# Allegro board A733_PRO3_AXP318_LPDDR5_FBGA315BALL_32X1_V2_0.brd (continued)
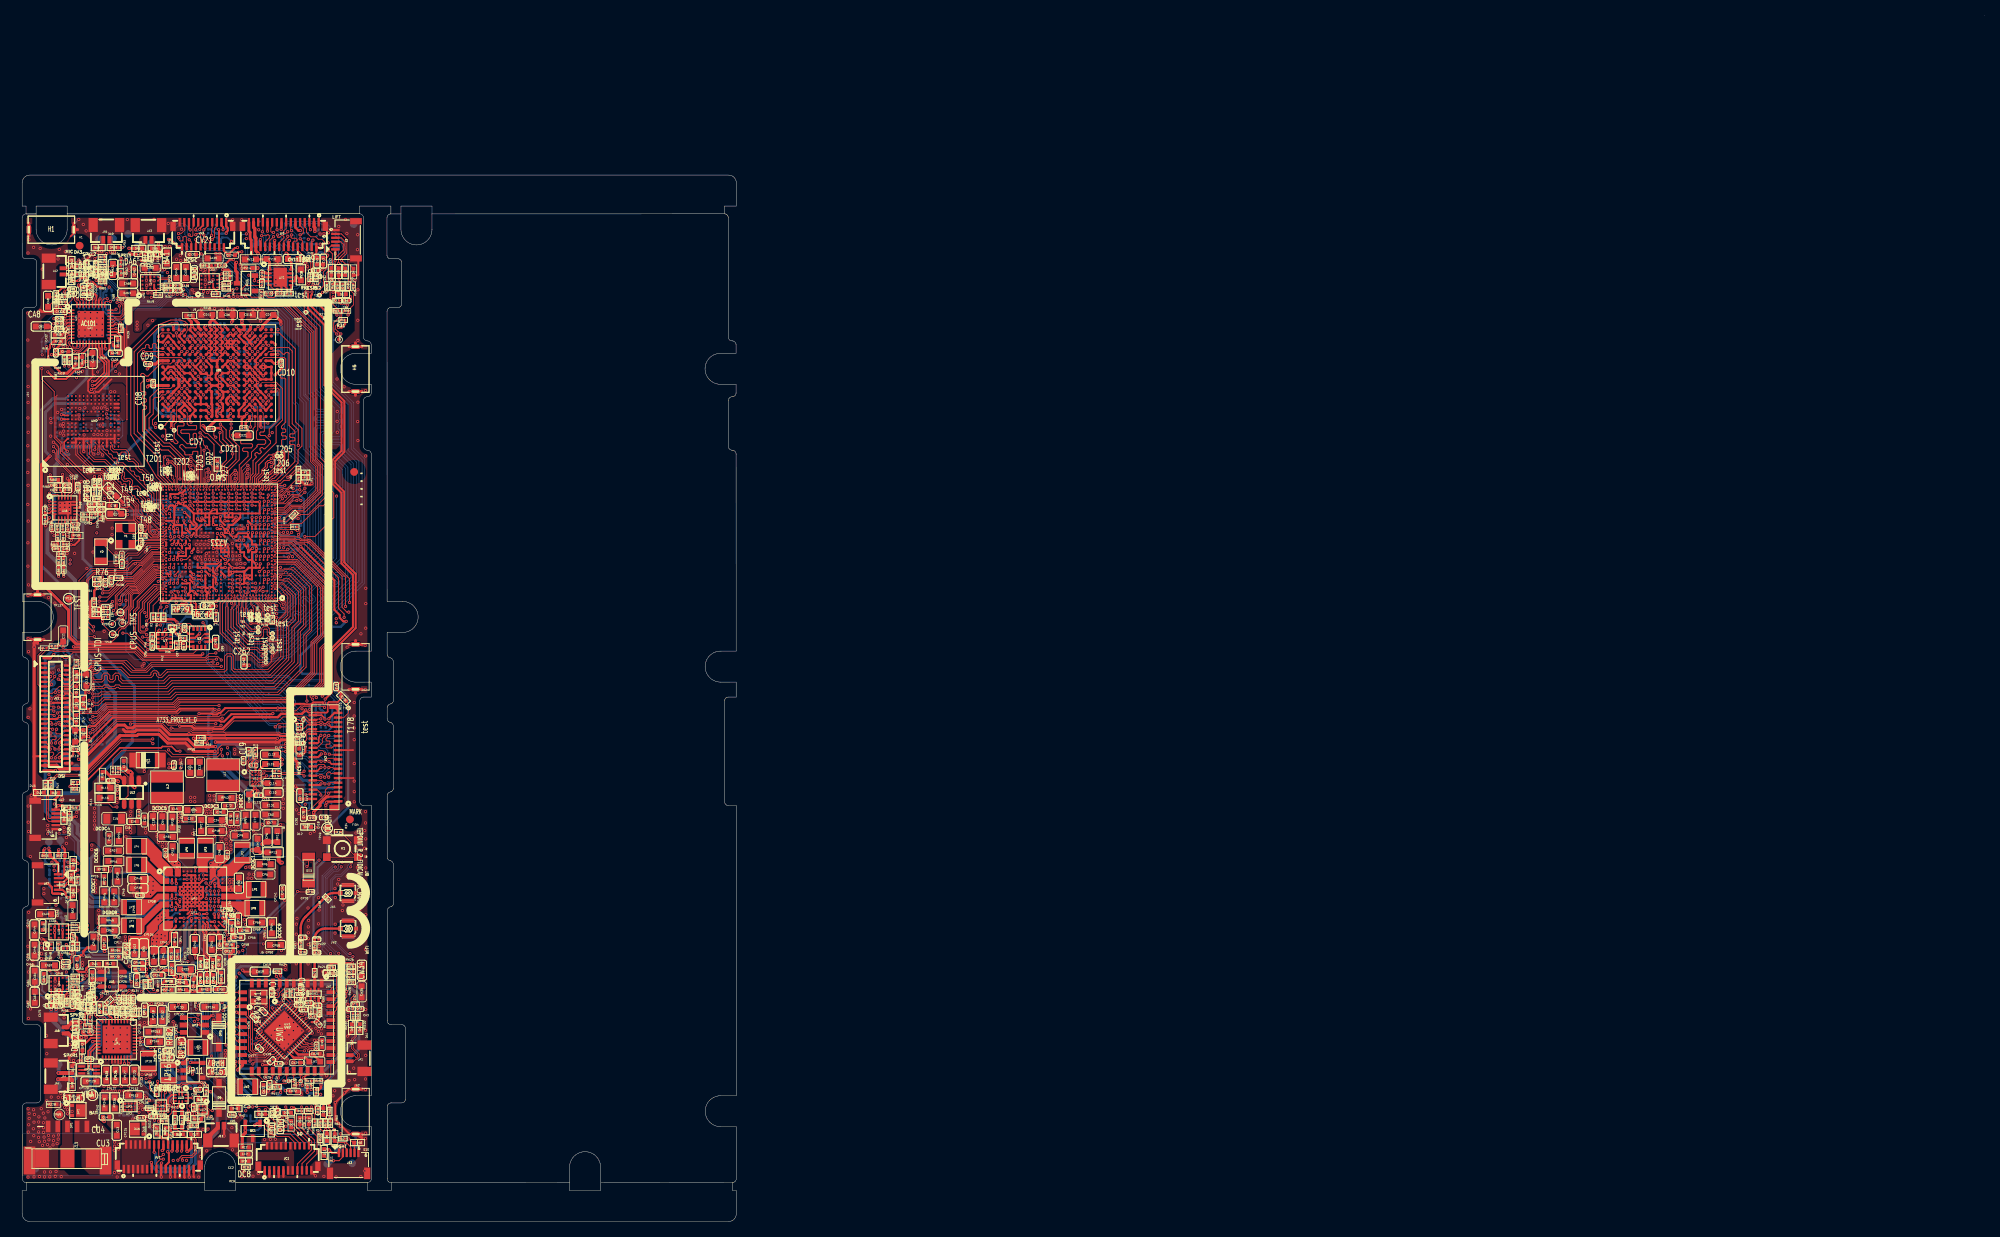
[diagram p0: board, top side]
## Routing (per net, layer and track width the routed paths; a pad name or vN(x,y) marks a point on that pad's centre or on a via; arc(x,y) is an arc through that point) (continued)
CLDO2: length 64.1
  TOP w0.254: CP33.2 23.83,32.38 v1(23.79,32.42) RP32.1 ; v1(26.13,83.15) 26.11,83.17 26.11,83.33 25.62,83.82 U1.1F13
  L4 w0.305: v1(26.13,83.15) 26.13,81.19 25.59,80.64 25.59,75.4 23.78,73.6 23.78,73.06 23.67,72.95 23.67,63.81 24.34,63.14 24.34,60.72 23.2,59.58 23.2,54.24 22.45,53.49 22.45,46.79 20.8,45.14 20.13,45.14 18.84,43.85 18.84,40.96 18.82,40.94 18.82,40.4 18.87,40.34 18.87,36.63 18.27,36.03 18.27,35.85 17.91,35.49 17.91,32.82 v1(17.97,32.76)
  BOTTOM w0.254: C116.1 26.22,83.23 v1(26.13,83.15)
  BOTTOM w0.305: v1(23.79,32.42) 23.74,32.48 23.74,32.64 22.98,33.4 21.97,33.4 21.55,32.98 19.28,32.98 19.07,32.78 18.16,32.78 18.15,32.76 v1(17.97,32.76)
CLDO-INPUT:
  vias: v1(13.32,36.72) v1(13.31,36.23) v1(24.22,37.11) v1(24.74,37.14)
CODEC0-AVDD: length 18
  TOP w0.203: RA64.2 3.09,90.28 3.51,90.7 v1(3.51,90.8) ; RA59.2 6.57,88.55 CA81.1 6.57,89.27 CA102.1 6.31,90.18 UA6.10 ; CA82.1 CA101.1 5.51,94.32 UA6.18
  TOP w0.254: v1(6.33,87.9) 6.33,88.04 6.52,88.23 RA59.2 ; CA82.1 5.55,95.1 5.21,95.44 5.21,96.07 5.22,96.07 v1(5.22,96.4)
  L3 w0.254: v1(3.51,90.8) 4.72,89.59 5.82,89.59 6.34,89.07 6.34,87.96 6.33,87.96 v1(6.33,87.9)
  L4 w0.254: v1(5.22,96.4) 4.03,95.22 4.03,91.76 3.51,91.23 v1(3.51,90.8)
CODEC-IRQ: length 59.1
  TOP w0.102: UA1.24 11.98,115.18 12,115.2 12.07,115.2 v1(12.09,115.21) 12.24,115.06 12.3,115.06 12.39,114.98 RA29.2
  L3 w0.102: v1(19.99,119.6) 21.05,118.54 30.21,118.54 30.48,118.81 32.8,118.81 37.42,114.18 37.42,97.84 35.95,96.37 35.95,96.37 34.6,95.02 34.6,94.27 34.69,94.18 34.69,93.46 34.21,92.98 v1(34.21,88.92)
  BOTTOM w0.102: RA1.1 33.93,89.21 v1(34.21,88.92) ; v1(12.09,115.21) 12.11,115.21 12.25,115.35 12.64,115.35 13.07,115.78 13.07,116.99 13.9,117.81 17.55,117.81 18.72,118.99 19.37,118.99 v1(19.99,119.6)
CODEC-RST: length 59
  L3 w0.102: v1(34.93,94.56) 34.93,95.07 37.62,97.76 37.62,114.27 32.88,119.01 30.4,119.01 30.13,118.74 21.38,118.74 v1(20.5,119.62)
  BOTTOM w0.102: v1(34.93,94.56) 34.91,94.54 RA2.1 ; RA20.2 7.73,120.73 7.73,121.86 8.49,122.62 9.69,122.62 12.62,119.68 12.62,118.67 12.85,118.44 17.24,118.44 18.8,120 20.12,120 v1(20.5,119.62)
CPUS-RX: length 42.3
  TOP w0.076: 17.31,84.15 17.51,84.15 17.61,84.24 18.34,84.24 U1.K36
  TOP w0.102: RU5.2 7.56,53.9 11.21,53.9 11.64,53.47 11.95,53.47 11.96,53.48 v1(12.22,53.48) ; v1(12.61,79.6) 12.96,79.95 12.96,80.68 14.02,81.75 14.72,81.75 14.74,81.76 14.74,81.76 17.13,84.15 17.31,84.15
  L4 w0.102: v1(12.61,79.6) 14.05,78.16 14.05,64.73 14.33,64.45 14.33,63.89 13.84,63.41 13.84,58.41 12.76,57.32 12.76,53.77 12.47,53.48 v1(12.22,53.48)
  BOTTOM w0.102: v1(12.61,79.6) 13.02,79.6 TP44.1
CPUS-TCK: length 24.2
  TOP w0.102: U2.9 22.6,73.82 22.09,73.32 16.15,73.32 13.56,75.91 v1(12.99,75.91) ; TP46.1 12.4,77.88 v1(12.91,77.88) 13.19,78.15 13.19,78.89 13.75,79.45 13.75,80.93 14.21,81.39 14.87,81.39 14.89,81.41 14.89,81.41 17.28,83.79 17.98,83.79 U1.J37
  L4 w0.102: v1(12.99,75.91) 12.99,76.71 12.54,77.15 12.54,77.51 v1(12.91,77.88)
CPUS-TDI: length 77.3
  TOP w0.102: U1.G36 18.53,82.8 18.28,83.05 18.12,83.05 17.8,83.37 17.36,83.37 15.04,81.05 15.03,81.05 15.02,81.04 14.38,81.04 14.14,80.8 14.14,79.33 13.7,78.89 13.7,77.33 13.06,76.69 12.59,76.69 TP48.1 10.36,77.07 10.36,77.25 10.35,77.26 v1(10.35,77.41) ; RV16.2 30.67,119.25 29.57,119.25 29.05,119.77 26.54,119.77 25.94,119.18 22.41,119.18 22.36,119.23 21.42,119.23 v1(21.03,119.62)
  L4 w0.102: v1(10.35,77.41) 10.21,77.41 9.27,78.35 9.27,84.71 9.58,85.03 9.58,88.3 9.27,88.62 9.27,89.08 9.96,89.78 9.96,93.49 ; v1(9.74,109.61) 9.74,109.36 9.75,109.35 9.75,106.59 8.49,105.33 8.49,98.22
  L4 w0.114: 8.49,98.22 10.48,96.23 10.48,94.01 9.96,93.49
  BOTTOM w0.102: v1(9.74,109.61) 12.61,112.47 12.61,114.67 13.28,115.34 13.28,116.91 13.98,117.61 17.68,117.61 18.83,118.76 20.16,118.76 v1(21.03,119.62)
CPUS-TDO: length 48.7
  TOP w0.102: RV11.1 35.22,62.3 34.55,62.96 33.37,62.96 33.2,63.13 26.13,63.13 26.05,63.05 24.48,63.05 24.43,63.11 21.94,63.11 21.76,63.28 19.08,63.28 18.09,64.28 14.06,64.28 v1(13.96,64.18) ; TP47.1 12.91,77.22 v1(12.91,77.35) 13.39,77.84 13.39,78.83 13.96,79.4 13.96,80.9 14.28,81.21 14.95,81.21 14.96,81.23 14.97,81.23 17.33,83.59 17.83,83.59 18.19,83.23 18.55,83.23 U1.H36
  TOP w0.114: RV11.1 35.82,62.3 T174.1 36.3,62.78 36.3,62.96 36.85,63.52 JV2.32
  L4 w0.102: v1(12.91,77.35) 13.84,76.42 13.84,64.31 v1(13.96,64.18)
CPUS-TMS: length 19.7
  TOP w0.102: TP45.1 12.67,78.78 13.38,79.49 v1(13.38,80.14) 13.38,80.83 14.12,81.57 14.8,81.57 14.81,81.58 14.82,81.58 17.2,83.97 18.14,83.97 U1.K37 ; U2.4 22.1,76.67 21.63,77.14 20.46,77.14 20.26,76.95 19.77,76.95 19.77,76.95 19.59,76.95 19.23,77.32 16.43,77.32 v1(16.07,76.96)
  L4 w0.102: v1(13.38,80.14) 15.11,78.41 15.11,77.91 16.05,76.96 v1(16.07,76.96)
CPUS-TX: length 64.9
  TOP w0.076: U1.L36 17.53,84.4 17.44,84.31 17.04,84.31
  TOP w0.102: 17.04,84.31 14.67,81.94 14.67,81.94 14.65,81.92 13.91,81.92 12.69,80.7 12.69,80.23 v1(12.59,80.14) ; UU1.4 12.92,29.99 12.78,29.85 v1(12.39,29.85) 12.34,29.85 11.39,28.89 RU7.1
  L4 w0.102: v1(12.39,29.85) 12.22,30.02 12.22,36.01 11.69,36.53 11.69,40.39 12.14,40.84 12.14,48.53 12.74,49.14 12.74,52.47 13.44,53.17 13.44,56.45 14.09,57.1 14.26,57.1 14.42,57.1 14.88,57.57 14.88,60.11 14.53,60.46 14.53,63.07 15.05,63.59 15.05,64.83 14.77,65.1 14.77,77.66 14.7,77.74 14.7,78.02 12.59,80.12 v1(12.59,80.14)
  BOTTOM w0.102: TP43.1 12.59,80.48 v1(12.59,80.14)
CPUX-RX: length 4.9
  TOP w0.102: U1.1W3 30.62,90.77 v1(30.71,90.85)
  BOTTOM w0.102: v1(30.71,90.85) 30.71,91.77 31.2,92.26 32.25,92.26 TP38.1 32.43,92.95 RA4.2
CPUX-TCK: length 129.3
  TOP w0.076: 34.67,90.23 34.58,90.23 34.28,89.94 32.99,89.94 32.69,90.24 32.4,90.24 32.17,90.02 U1.AE2
  TOP w0.102: R57.2 39.7,120.17 39.7,119.2 40.04,118.86 40.04,118.38 40.7,117.71 40.7,117.7 R60.2 40.99,117.41 40.99,116.79 40.16,115.96 40.16,114.9 v1(40.56,114.5) ; v1(39.52,93.59) 39.25,93.59 36.87,91.21 35.72,91.21 v1(35.71,91.2) 35.63,91.2 35.47,91.03 35.44,91.03 35.25,90.84 35.25,90.82 34.67,90.23 ; R61.2 37.73,13.85 37.4,14.18 37.26,14.18 R64.2 37.19,14.66 v1(37.29,14.77)
  L3 w0.102: v1(41.14,45.76) 40.9,46 40.9,48.29 41.56,48.95 41.56,67.8 39.16,70.2 39.16,73.5 42.96,77.3 42.96,88.91 39.17,92.7 39.17,93.24 v1(39.52,93.59) ; v1(37.29,14.77) 37.29,16.08 37.93,16.71 37.93,19.14 39.94,21.14 39.94,33.22 40.64,33.92 40.64,34.43 v1(40.82,34.61)
  L4 w0.102: v1(40.56,114.5) 38.25,112.19 38.25,98.29 39.52,97.01 39.52,93.59 v1(39.52,93.59)
  BOTTOM w0.102: v1(40.82,34.61) 40.65,34.79 40.43,34.79 39.3,35.92 39.3,44.28 40.19,45.17 40.7,45.17 41.14,45.62 v1(41.14,45.76) ; R32.2 35.96,90.94 v1(35.71,91.2) 35.78,91.27 TP39.1
CPUX-TDI: length 8.3
  TOP w0.114: U1.1U3 30.62,89.73 30.66,89.76 v1(30.66,89.91)
  BOTTOM w0.102: RA2.2 34.91,93.05 TP36.1 34.44,92.16 35,91.6 R30.2 34.18,91.21 33.98,91.01 33.79,91.01 33.5,90.72 33.5,90.7 33.29,90.5 33.28,90.5 33.27,90.48 31.12,90.48 30.66,90.03 v1(30.66,89.91)
CPUX-TDO: length 4.1
  TOP w0.114: U1.1U2 31.12,89.72 31.22,89.81 v1(31.22,89.91)
  BOTTOM w0.102: RA1.2 33.43,90.17 R33.2 32.77,90.18 TP40.1 32.01,90.31 31.51,90.31 31.22,90.01 v1(31.22,89.91)
CPUX-TMS: length 128.4
  TOP w0.102: R62.2 39.73,13.33 v1(39.64,13.42) R63.2 ; U1.AE1 32.82,89.76 34.36,89.76 34.65,90.05 36.02,90.05 38.31,92.34 38.8,92.34 v1(39.53,93.06) ; R58.2 42.73,119.73 42.73,118.27 42.26,117.8 41.69,117.8 41.56,117.68 R59.2 41.19,117.12 41.19,116.58 41.15,116.54 R31.2 40.37,115.54 40.37,115.16 40.67,114.86 40.71,114.86 40.91,114.65 40.91,114.62 41.02,114.51 v1(41.08,114.51) 40.85,114.28 TP37.1
  L3 w0.102: v1(41.17,34.07) 41.11,34.07 40.14,33.09 40.14,21.06 39.64,20.56 v1(39.64,13.42) ; v1(41.28,46.36) 41.28,48.38 41.76,48.86 41.76,67.89 39.37,70.28 39.37,73.42 43.16,77.21 43.16,77.38 43.16,89.43 v1(39.53,93.06)
  L4 w0.102: v1(41.08,114.51) 38.45,111.88 38.45,98.37 39.88,96.95 39.88,93.41 v1(39.53,93.06)
  BOTTOM w0.102: v1(41.28,46.36) 41.08,46.36 40.77,46.06 40.77,45.6 40.55,45.38 40.08,45.38 39.1,44.4 39.1,35.75 40.78,34.07 v1(41.17,34.07)
CPUX-TX: length 7.1
  TOP w0.102: U1.1W4 30.12,90.78 v1(30.18,90.83)
  BOTTOM w0.102: v1(30.18,90.83) 30.46,91.11 30.46,91.78 31.13,92.44 31.8,92.44 32.09,92.72 32.09,93.95 32.84,94.7 RA3.2 32.49,95.18 32.28,95.18 32.06,95.39
  BOTTOM w0.114: TP35.1 32.06,95.39
CPVDD: length 2.1
  TOP w0.203: v1(12.09,114.25) 11.95,114.38 UA1.22
  TOP w0.305: RA15.2 12.32,114.02 v1(12.09,114.25)
  BOTTOM w0.203: v1(12.09,114.25) 11.98,114.36 CA13.1
D+: length 12.7
  TOP w0.112: v1(18.2,8.65) 17.92,8.37 17.74,8.37 17.61,8.5 JU1.16 ; v1(20.68,7.91) 20.59,8 20.59,8.16 20.7,8.27 21.94,8.27 22.43,8.77 22.43,10.6 21.8,11.24 DU7.2 21.78,11.26 21.29,11.75 20.8,11.75 20.61,11.94 LU1.2 20.61,12.24 20.61,12.24 RU12.1
  L4 w0.112: v1(20.68,7.91) 20.51,8.08 20.51,8.3 20.24,8.57 19.13,8.57 19.04,8.48 18.37,8.48 v1(18.2,8.65)
D-: length 12.5
  TOP w0.112: JU1.15 17.31,7.54 17.82,8.04 v1(18.2,8.04) ; v1(20.07,7.91) 20.34,8.18 20.34,8.26 20.6,8.51 21.84,8.51 22.2,8.86 22.2,10.5 22.04,10.66 21.36,10.66 DU8.2 20.65,11.24 20.24,11.65 20.2,11.65 LU1.3 19.68,12.16 RU11.1
  L4 w0.112: v1(18.2,8.04) 18.37,8.21 19.15,8.21 19.25,8.31 20.13,8.31 20.24,8.19 20.24,8.08 v1(20.07,7.91)
DC8SET: length 4.2
  TOP w0.102: UP1.E11 23.7,43.05 v1(23.7,42.65)
  BOTTOM w0.305: RP57.1 23.7,42.95 v1(23.7,42.65) 23.7,42.52 24.08,42.14 RP55.2
DCDC1:
  vias: v1(26.78,44.13) v1(26.75,43.69) v1(27.22,44.12) v1(27.22,43.68) v1(28.82,45.67) v1(29.36,45.73) v1(29.92,46.45) v1(29.93,45.78) v1(33.92,33.06) v1(33.92,32.52) v1(34.05,20.44) v1(34.16,20.98) v1(37.69,23.37) v1(38.13,23.33) v1(41.99,26.44) v1(42,25.97) v1(43.51,31.04) v1(44.03,31.06)
DCDC2: length 19.5
  TOP w0.178: v1(28.02,87.91) 27.96,87.85 U1.1P9
  TOP w0.203: U1.1V22 20.87,90.11 v1(20.87,90.41)
  TOP w0.254: U1.1U10 27.12,88.9 v1(27.15,88.87) ; U1.1V18 22.48,89.21 22.48,88.49 v1(22.4,88.41) ; v1(26.18,84.38) 26.16,84.35 U1.1G13 ; v1(25.05,79.41) 25.02,79.44 C261.1 24.32,78.68 RP296.1 ; U1.1R12 26.12,88.37 v1(25.71,88.79)
  TOP w0.406: C262.1 v1(29.27,71.77)
  L4 w0.305: v1(25.05,79.41) 24.82,79.41 24.59,79.63 24.59,80.27 25.64,81.32 25.64,83.84 v1(26.18,84.38)
  BOTTOM w0.254: R75.1 25.64,83.2 C76.1 25.64,84.03 25.99,84.38 v1(26.18,84.38) ; C75.1 28.52,87.94 v1(28.55,87.91) 28.28,87.64 C129.1 27.62,87.39 C68.1 ; C58.1 27.91,88.01 v1(28.02,87.91) ; v1(27.15,88.87) 27.15,88.84 C74.1 ; v1(20.87,90.41) 20.72,90.55 CM4.1 20.72,90.96 20.54,91.14 19.58,91.14 CM3.1
  vias: v1(27.1,87.5) v1(27.15,85.87) v1(27.69,84.83) v1(27.64,53.73) v1(27.74,54.85) v1(27.74,54.29) v1(27.78,53.18) v1(28.04,85.92) v1(28.04,85.39) v1(28.19,84.88) v1(28.28,54.28) v1(28.2,53.76) v1(28.34,53.2) v1(28.73,84.88)
DCDC3:
  vias: v1(22.32,85.6) v1(23.01,85.73) v1(23.19,84.93) v1(23.39,53.59) v1(23.39,52.99) v1(23.65,85.44) v1(23.75,86.2) v1(23.84,53.16) v1(23.79,52.67) v1(23.98,53.6) v1(24.16,85.44) v1(24.32,53.16) v1(24.33,52.69) v1(24.56,53.6) v1(24.66,85.42) v1(25.1,86.36) v1(25.17,85.29) v1(25.12,53.59)
DCDC4:
  vias: v1(13.52,51.01) v1(13.53,50.57) v1(13.98,51.02) v1(13.98,50.59) v1(14,50.16) v1(22.94,88.41) v1(23.44,88.39) v1(23.95,88.39)
DCDC5:
  vias: v1(16.96,53.53) v1(16.96,52.95) v1(17.48,53.52) v1(17.48,52.93) v1(18.03,53.5) v1(18.02,52.95) v1(18.57,53.53) v1(18.57,52.95) v1(22.44,87.37) v1(22.67,86.42) v1(22.95,87.37) v1(23.46,87.37) v1(23.97,87.35) v1(24.1,87.86)
DCDC6: length 11.5
  TOP w0.254: U1.1Y14 24.74,90.85 v1(24.71,90.88) 24.62,90.79 U1.1W15 24.62,89.95 v1(24.66,89.91) 24.73,89.85 U1.1V14 ; UP1.C2 v1(19.32,43.69)
  TOP w0.381: v1(13.01,92.48) 13.01,92.77 12.18,93.6 CD32.1
  BOTTOM w0.381: 12.35,45.01 18,45.01 v1(19.32,43.69)
  vias: v1(11.36,45.78) v1(11.36,45.22)
DCDC7: length 88.7
  TOP w0.254: v1(28.99,108.26) 28.63,108.61 UD1.T7 ; v1(28.99,108.26) 28.68,107.86 UD1.T6 ; v1(28.99,108.26) 29.33,108.6 UD1.U7 29.66,108.32 29.66,108.28 v1(29.68,108.27) ; UD1.U9 29.69,109.89 v1(29.69,109.86) 29.72,109.86 UD1.V8 30.03,109.42 v1(30.4,109.05) 30.71,108.66 UD1.W7 UD1.Y7 UD1.AA7 UD1.AA8 UD1.AA9 UD1.Y9 31.43,110.24 v1(31.09,109.9) UD1.W9 31.08,110.6 31.08,110.6 v1(31.09,110.61) ; UD1.U9 29.26,110.26 28.97,110.64 v1(28.97,110.65) 28.95,110.65 28.63,110.97 UD1.T10 ; UD1.U9 v1(28.98,109.9) UD1.T9 ; UD1.C7 v1(19.18,109) UD1.B7 18.48,109 ; UD1.K10 24.08,111.4 24.08,111.45 v1(24.07,111.46) 24.07,111.46 24.07,111.49 UD1.K11 24.08,112.21 ; UD1.M11 v1(26.18,112.2) UD1.N11 ; UD1.M11 25.48,111.5 v1(25.48,111.4) ; UD1.M11 25.51,112.17 25.51,112.24 v1(25.5,112.25) 25.53,112.25 25.83,112.55 UD1.M12 25.83,112.68 25.51,113 25.51,113.03 v1(25.5,113.05) 25.54,113.05 25.83,113.34 UD1.M13 25.83,113.53 v1(25.5,113.86) 25.83,114.19 UD1.M14 25.5,114.58 25.5,114.63 v1(25.48,114.64) 25.52,114.64 25.83,114.95 UD1.M15 25.46,115.42 v1(25.46,115.46) ; UD1.K1 24.52,103.94 24.52,104.11 24.52,104.42 24.52,104.57 UD1.K2 24.51,104.73 24.51,105.38 UD1.K3 ; UD1.J11 24.08,112.2 24.08,112.21 ; UD1.F6 21.63,107.9 21.3,108.23 ; UD1.C9 19.85,109.85 v1(19.87,109.85) 19.87,109.81 UD1.D8 20.53,109.07 v1(20.59,109.06) 20.59,108.99 UD1.E7 20.93,108.63 ; 20.93,108.63 20.63,108.33 20.63,108.29 v1(20.6,108.26) ; 20.93,108.63 20.93,108.6 21.3,108.23 ; 18.48,109 UD1.A7 ; 18.48,109 UD1.A8 18.5,109.87 ; v1(25.48,107.44) 25.5,107.42 25.5,107.38 UD1.M5 ; v1(25.48,107.44) 25.52,107.44 25.83,107.75 UD1.M6 ; v1(25.48,107.44) 25.45,107.44 UD1.L6 25.49,108.21 25.49,108.24 ; v1(25.49,108.24) 25.48,108.24 25.45,108.25 UD1.L7 24.95,108.83 24.95,109.27 UD1.L8 25.47,109.8 25.47,109.84 v1(25.48,109.85) 25.47,109.85 25.45,109.85 UD1.L9 ; UD1.M5 25.94,106.95 25.94,106.36 UD1.M4 25.51,105.84 v1(25.48,105.84) 25.5,105.83 25.5,105.83 25.83,105.49 UD1.M3 25.9,105.39 25.9,104.72 UD1.M2 25.51,104.25 v1(25.49,104.25) 25.83,103.9 UD1.M1 ; UD1.M5 UD1.N5 ; 21.28,110.6 UD1.E9 20.58,110.61 v1(20.58,110.67) ; 21.28,110.6 v1(21.28,110.63) 21.3,110.63 UD1.F10 ; 21.28,110.6 UD1.F9 ; U1.1W10 27.12,90.37 27.58,90.83 v1(27.58,90.88) ; U1.1W11 26.21,90.35 v1(26.14,90.42) ; v1(25.48,111.4) UD1.L10 ; v1(25.48,111.4) UD1.M10 ; UD1.J5 v1(24.08,107.4) ; v1(24.08,107.4) 24.43,107.75 UD1.K6 24.13,108.16 24.13,108.2 v1(24.09,108.24) ; v1(24.08,107.4) UD1.K5 ; v1(24.21,115.51) 24.21,115.27 UD1.K15 24.08,114.71 v1(24.08,114.66) 24.08,114.64 24.08,114.64 24.08,114.6 UD1.K14 24.08,113.91 24.08,113.85 v1(24.08,113.85) 24.08,113.85 24.08,113.8 UD1.K13 24.43,113.35 24.14,113.06 24.09,113.06 v1(24.08,113.05) 24.08,113.05 24.08,113.01 UD1.K12 24.43,112.55 24.12,112.24 24.08,112.24 v1(24.08,112.24) 24.08,112.24 24.08,112.21 ; UD1.B9 18.5,109.87 ; 18.5,109.87 UD1.A9 ; 21.3,108.23 21.63,108.56 UD1.F7
  TOP w0.305: v1(27.12,101.45) 27.76,101.45 CD21.1 ; UD1.K10 UD1.L10 25.13,110.76 25.12,110.75 25.12,110.46 25.13,110.45 UD1.L9 ; v1(25.49,108.24) 25.83,107.9 UD1.M6 ; UP1.G2 19.31,42.16 19.31,41.67 v1(19.3,41.66) ; v1(28.97,110.65) 28.63,110.32 UD1.T9 ; UD1.K5 UD1.K4 UD1.K3 ; 24.52,116.46 25.46,115.52 v1(25.46,115.46) ; v1(31.09,110.61) 31.43,110.27 UD1.Y9 ; UD1.B9 UD1.C9 ; UD1.L6 UD1.K6
  TOP w0.381: v1(24.21,115.51) 24.21,116.05 24.52,116.36 CD11.1
  BOTTOM w0.076: 27.23,111.79 27.23,105.35 27.26,105.32 ; 27.24,114.3 27.24,112.61 ; 26.55,114.29 26.55,112.53
  BOTTOM w0.114: 23.01,111.29 23.03,111.32 23.03,114.78
  BOTTOM w0.305: v1(25.48,114.64) 25.56,114.72 CD14.1 ; v1(20.6,108.26) 20.35,108.5 CD45.1 ; v1(25.46,115.46) 25.55,115.55 CD13.1 ; v1(25.49,104.25) 25.3,104.44 CD46.1 ; v1(24.07,111.46) 24.15,111.38 CD15.1 ; CD44.1 20.49,110.75 v1(20.58,110.67) ; v1(24.21,115.51) 24.24,115.53 CD48.1 ; CD12.1 23.94,108.39 v1(24.09,108.24) ; v1(25.49,108.24) 25.76,108.52 CD47.1
  BOTTOM w0.381: v1(19.3,41.66) 19.07,41.43 12.72,41.43 11.38,42.77 10.51,42.77
  vias: v1(9.42,44.05) v1(9.47,43.51) v1(9.47,43.01) v1(9.47,42.5)
DCDC8: length 90.3
  TOP w0.254: v1(19.28,40.64) 19.32,40.68 UP1.J2
  BOTTOM w0.381: v1(19.28,40.64) 19.17,40.74 17.32,40.74 16,39.42 13.58,39.42 v1(12.37,38.21)
  BOTTOM w0.508: v1(12.37,38.21) 11.73,38.21 11.05,38.88 11.05,40.68 10.51,41.22 8.86,41.22 8.29,41.8 8.29,46.85 7.84,47.3 7.84,49.42 7.14,50.13 7.14,51.18 5.7,52.61 4.2,52.61 3.56,53.25 3.56,54.61 4.21,55.26 7.13,55.26 7.6,55.73 7.6,57.93 11.04,61.36 11.04,61.76 11.99,62.71 11.99,68.15 10.77,69.36 10.77,70.83 6.83,74.78 6.83,82.72 3.25,86.3 3.25,89.13 4.07,89.96 4.07,95.75 4.21,95.88 4.21,97.46 4.58,97.83 4.58,99.17 5.38,99.98 8.82,99.98 9.18,100.33 RP291.1
DCDC9: length 1
  TOP w0.254: v1(25.37,41.66) 25.32,41.61 UP1.J14 ; UP1.P12 v1(24.8,38.67)
  vias: v1(26.28,37.49) v1(26.46,36.98) v1(31.24,37.05) v1(31.24,36.59)
DCXO-XIN: length 4.7
  TOP w0.076: 17.9,87.91 17.99,88 U1.Y36
  TOP w0.102: Y1.1 14.7,87.84 C61.1 17.83,87.84 17.9,87.91
DCXO-XOUT: length 3.1
  TOP w0.076: 17.84,88.16 18.29,88.16 18.53,88.4 U1.AA36
  TOP w0.102: R19.1 16.25,88.02 17.7,88.02 17.84,88.16
DDR-PARA-SEL-ADC: length 6.1
  TOP w0.102: v1(17.88,79.28) 17.55,78.95 R2.2 ; v1(19.51,82.35) 19.62,82.47 U1.1D25
  L4 w0.102: v1(17.88,79.28) 18.28,79.68 18.28,81.12 19.5,82.35 v1(19.51,82.35)
  BOTTOM w0.102: R7.1 17.97,79.2 v1(17.88,79.28)
DDR-PARA-SEL-GPIO: length 5
  TOP w0.076: 32.98,95.04 32.41,95.04 U1.AU2
  TOP w0.102: R1.1 36.29,96.65 R6.2
  TOP w0.114: R6.2 35.26,96.65 34.72,96.11 34.72,95.92 34.43,95.63 33.76,95.63 33.31,95.18 33.12,95.18 32.98,95.04
DECAP2: length 3
  TOP w0.102: UW3.4 31.9,27.22 31.9,29.05 CW11.2
DLDO1: length 99.4
  TOP w0.254: U1.1W5 29.62,90.81 v1(29.64,90.83) ; CP41.2 18.21,35.28 18.82,35.9 v1(18.82,35.92) 19.05,36.14 19.05,37.27 19.82,38.04 UP1.R3
  L3 w0.254: v1(33.41,34.94) 29.4,30.93 29.36,30.93 27.7,29.27 27.35,29.27 27.21,29.41 26.67,29.41 26.53,29.27 24.22,29.27 23.6,29.88 22.88,29.88 22.6,30.17 20.44,30.17 18.78,31.84 v1(18.55,31.84)
  L4 w0.254: v1(18.82,35.92) 18.82,35.9 18.72,35.79 18.72,35.67 18.29,35.24 18.29,33.14 18.46,32.97 18.46,31.99 18.55,31.9 v1(18.55,31.84) ; v1(38.27,46.62) 38.27,51.06 36,53.34 36,56.62 34.64,57.97 34.64,59.35 33.46,60.53 33.46,63.33 33.68,63.55 33.68,64.51 34.74,65.58 34.74,66.7 38.14,70.1 38.14,73.96 39.11,74.93 39.11,88.41 37.23,90.3 34.86,90.3 32.9,92.26 31.03,92.26 29.64,90.87 v1(29.64,90.83)
  BOTTOM w0.254: v1(33.41,34.94) 34.75,36.28 34.75,36.38 34.76,36.38 34.76,36.41 34.77,36.42 34.77,39.58 37.7,42.51 37.7,46.05 v1(38.27,46.62) ; C49.1 29.66,90.85 v1(29.64,90.83)
DLDO5: length 44
  TOP w0.229: v1(21.86,39.64) 21.79,39.64 UP1.N6
  TOP w0.381: v1(16.18,33.25) 15.61,33.25 CP46.2
  TOP w0.508: v1(27.57,15.19) 27.87,14.89 R40.1
  L3 w0.381: v1(22.69,26.65) 22.96,26.65 23.36,27.05 24.9,27.05 25.31,26.64 26.7,26.64 28.18,25.16 28.18,22.33 26.23,20.39 26.23,16.52 v1(27.57,15.19)
  L4 w0.381: v1(16.18,33.25) 16.16,33.24 16.15,33.24 16.14,33.22 15.99,33.22 15.5,32.74 15.5,31.79 16.17,31.12 16.17,29.78 16.81,29.14 20.62,29.14 21.11,28.65 21.11,27.31 21.77,26.65 v1(22.69,26.65)
  BOTTOM w0.279: v1(21.86,39.64) 21.86,39.64 21.99,39.64 22.01,39.63 22.05,39.63 22.37,39.3 22.37,38.93 22.4,38.9 22.4,38.75 21.53,37.88
  BOTTOM w0.381: v1(16.18,33.25) 16.21,33.25 16.25,33.29 16.94,33.29 17.83,34.18 20.46,34.18 21.53,35.26 21.53,37.88
DLDO6: length 115.9
  TOP w0.152: UP1.M6 21.32,39.72 21.78,40.17 v1(21.84,40.17)
  TOP w0.203: UP1.M6 21.46,39.8 21.46,39.81 21.69,40.04 21.71,40.04 v1(21.84,40.17)
  TOP w0.381: v1(22.29,31.68) 22.25,31.64 22.25,31.35 CP48.2 ; v1(14.41,74.52) 6.96,74.52 5.98,75.5 5.98,78.87 2.49,82.36 2.49,97.65 v1(3.6,98.76)
  L4 w0.305: v1(21.84,40.17) 21.92,40.1 22.05,40.1 22.32,39.83 22.32,38.64 22.31,38.63
  L4 w0.381: 22.31,38.63 22.84,38.1 22.84,33.43 22,32.59 22,32.04 22.29,31.75 v1(22.29,31.68) ; v1(14.41,74.52) 14.41,64.98 14.68,64.71 14.68,63.75 14.19,63.26 14.19,60.17 14.51,59.84 14.51,57.72 14.24,57.45 13.95,57.45 13.1,56.6 13.1,53.41 12.22,52.53 12.22,49.19 10.93,47.89 10.93,46.17 10.58,45.83 10.58,42.22 11.34,41.46 11.34,36.29 11.88,35.76 11.88,31.79 11.25,31.17 v1(11.25,30.28)
  BOTTOM w0.381: v1(11.25,30.28) 12.12,30.28 12.18,30.34 14.97,30.34 15.09,30.22 15.68,30.22 15.86,30.41 16.7,30.41 17.35,31.06 21.66,31.06 v1(22.29,31.68) ; v1(3.6,98.76) 3.02,99.34 3.02,104.44 4.12,105.54 RP293.1
DP-REXT: length 1.2
  TOP w0.114: v1(23.19,81.23) 23.05,81.37 22.64,81.37 U1.1A19
  BOTTOM w0.102: R68.2 23.29,81.13 v1(23.19,81.23)
DXLDO-OUT: length 1.7
  TOP w0.254: v1(21.17,89.34) 21.21,89.3 21.21,89.27 U1.1T21
  BOTTOM w0.254: RM37.2 21.07,89.44 v1(21.17,89.34) 21.21,89.34 21.41,89.14 C41.1
ELDO1: length 77.8
  TOP w0.254: UP1.R13 24.82,38.14 25.04,37.92 25.04,37.82 25.27,37.6 v1(25.27,37.08)
  TOP w0.381: RP198.1 8.38,93.41 v1(8.38,92.97) ; CP51.2 25.47,36.88 v1(25.27,37.08)
  L3 w0.381: v1(25.27,37.08) 25.27,37.47 24.31,38.42 16.01,38.42 14.82,39.61 v1(12.36,39.61)
  BOTTOM w0.381: v1(12.36,39.61) 12.36,40.15 10.73,41.77 9.25,41.77 8.86,42.16 8.86,46.88 9.87,47.89 9.87,57.39 13.17,60.69 13.17,60.86 14.21,61.9 14.21,63.33 14.48,63.6 14.48,69.07 8.48,75.06 8.48,83.4 8.87,83.79 8.87,84.47 7.84,85.51 7.84,92.43 8.37,92.97 v1(8.38,92.97)
ELDO6: length 82.4
  TOP w0.254: U1.1M20 22.12,86.73 21.87,86.48 v1(21.87,86.31)
  TOP w0.381: v1(21.15,79.68) 21.12,79.65 20.56,79.65 RP297.1 ; RP56.1 27.03,37.39 27.39,37.04 CP58.2 27.05,36.69 26.8,36.44 v1(26.65,36.44)
  L4 w0.254: v1(21.87,86.31) 21.87,85.39 22.12,85.14 22.12,84.09 21.6,83.57 21.6,82.65 21.16,82.21 20.99,82.21 20.65,81.88 20.65,80.17 v1(21.15,79.68)
  L4 w0.381: v1(21.15,79.68) 21.15,77.41 21.02,77.28 21.02,63.71 20.77,63.46 19.81,62.5 19.81,57.3 16.35,53.85 16.35,51.56 16.9,51.01 16.9,45.14 17.43,44.6 17.43,41.57 15.91,40.04 15.91,37.77 15.34,37.2 15.34,33.44 14.88,32.98 14.88,32.58 14.5,32.19 14.5,31.88 14.51,31.87 14.51,31.79 14.8,31.5 14.82,31.5 v1(15.39,30.93)
  BOTTOM w0.305: C22.1 21.53,79.98 21.23,79.68 v1(21.15,79.68) 20.98,79.68 C23.1
  BOTTOM w0.381: v1(26.65,36.44) 26.65,36.43 26.65,33.59 25.58,32.53 25.58,32.19 25.27,31.87 23.64,31.87 23.29,32.23 23.29,32.46 22.79,32.96 22.15,32.96 21.74,32.54 19.46,32.54 19.26,32.33 18.34,32.33 17.77,31.75 17.06,31.75 16.41,31.1 15.56,31.1 v1(15.39,30.93)
ENN: length 48.7
  TOP w0.102: v1(33.98,60.63) 33.94,60.67 33.37,60.67 33.04,61 30.22,61 RL7.1 29.86,60.64 29.85,60.64 29.76,60.55 29.76,59.87 29.18,59.3 29.18,58.49 UL1.A1
  TOP w0.114: U1.1AE1 31.74,93.47 v1(31.74,93.73)
  L4 w0.102: v1(33.98,60.63) 33.99,60.63 34.63,61.28 34.63,64.5 35.43,65.3 35.43,66.39 38.84,69.8 38.84,73.6 39.88,74.63 39.88,88.63 36.55,91.96 34.07,91.96 32.75,93.28 32.19,93.28 v1(31.74,93.73)
ENP: length 48.6
  TOP w0.102: UL1.B1 28.98,58.29 28.98,59.39 29.21,59.61 RL5.1 29.27,60.38 29.54,60.65 29.54,60.83 29.91,61.2 33.14,61.2 33.2,61.14 v1(33.99,61.14)
  TOP w0.114: U1.1AC1 31.61,92.37 31.61,92.79 v1(31.75,92.93)
  L4 w0.102: v1(33.99,61.14) 34.43,61.58 34.43,64.58 35.23,65.38 35.23,66.47 38.63,69.88 38.63,73.69 39.67,74.73 39.67,88.55 36.44,91.78 34,91.78 32.85,92.93 v1(31.75,92.93)